# Altium PCB PCB1.PcbDoc (part 3 of 3)
Units mm, origin at the board's own origin, x right, y up, seen from the top; angles counter-clockwise.
Board outline 129 x 105 mm, 2 copper layers (Top Layer, Bottom Layer); 225 components, 151 nets, 690 pads, 891 vias.
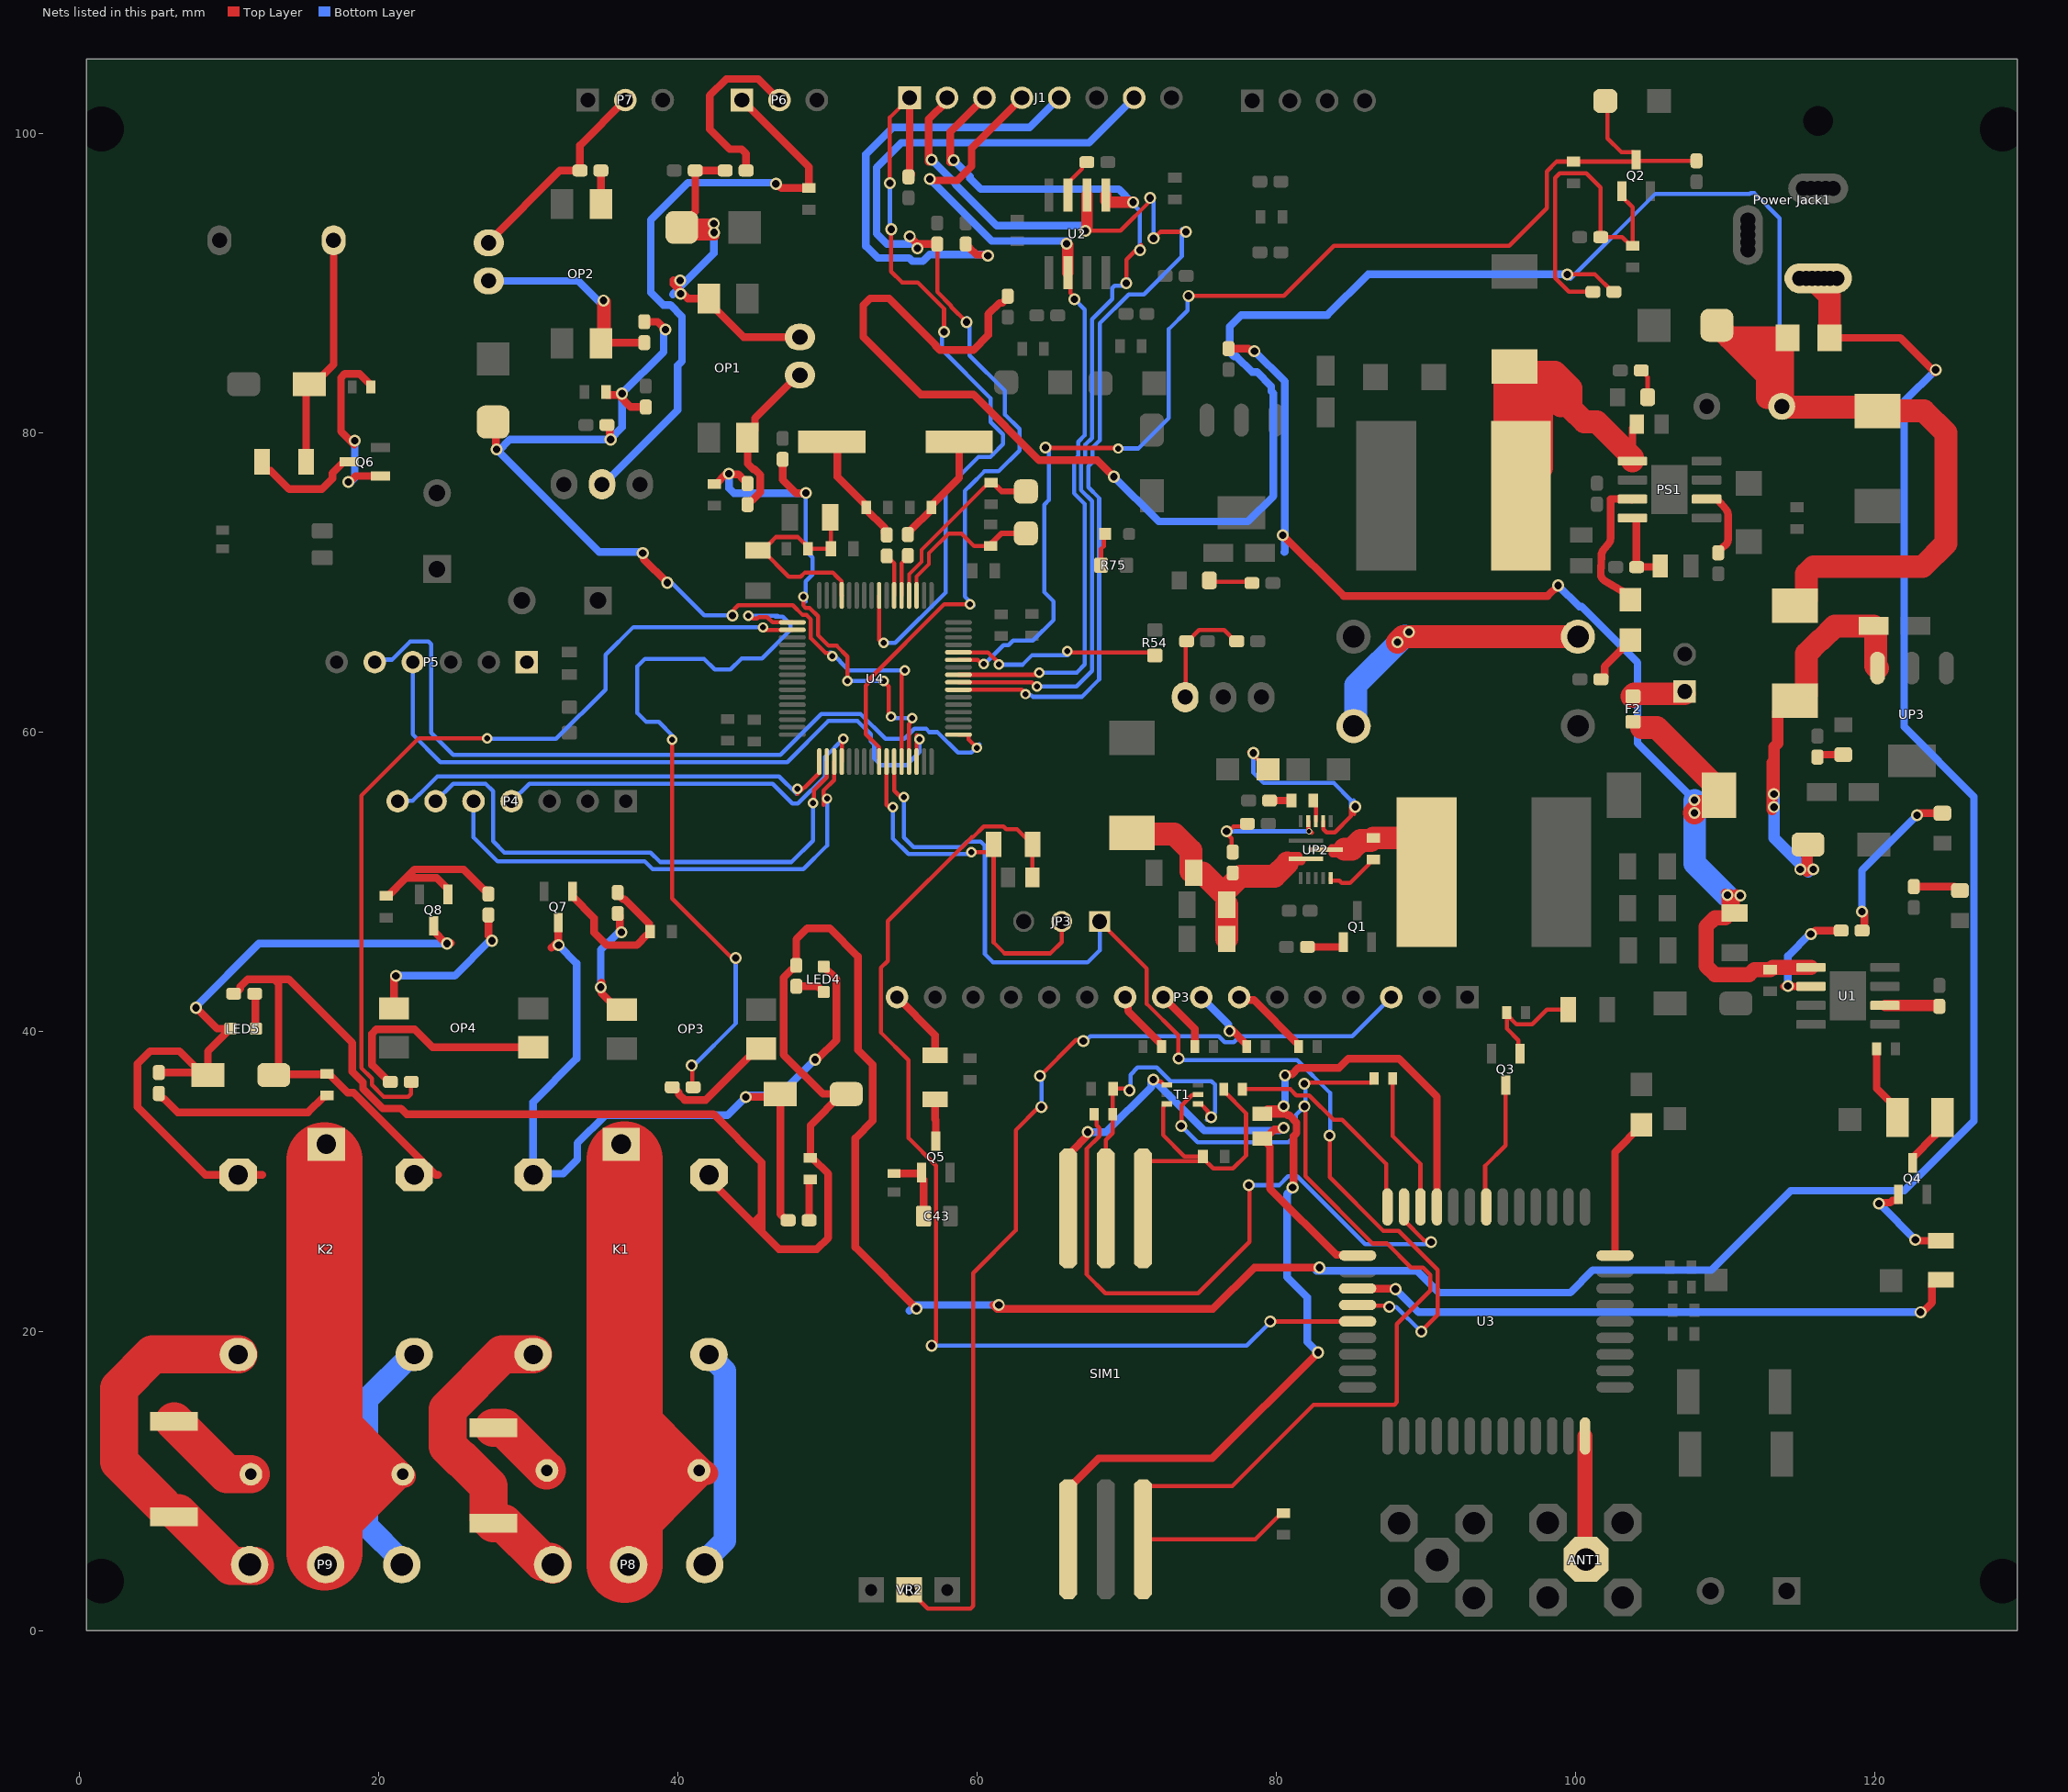
[diagram p3: the nets of this part, all layers, seen from the top]

## Via types
v1: diameter 0.4, hole 0.4, Top Layer to Bottom Layer, tented both sides, 549 vias
v2: diameter 0.8, hole 0.5, Top Layer to Bottom Layer, tented both sides, 237 vias
v3: diameter 0.7, hole 0.4, Top Layer to Bottom Layer, tented both sides, 91 vias
v4: diameter 0.5, hole 0.5, Top Layer to Bottom Layer, tented both sides, 12 vias
v5: diameter 0.4, hole 0.25, Top Layer to Bottom Layer, tented both sides, 1 vias
v6: diameter 0.4, hole 0.3, Top Layer to Bottom Layer, tented both sides, 1 vias

## Nets (pads, with @x,y where several pads share a name; then routed paths per layer and width w, separated by ;. In a path a pad name is that pad's centre, name@x,y a point inside that pad or via, vN(x,y) a via of type N, cw(c..) or ccw(c..) an arc to the next point about the centre after c; other vN are vias at no path point) (continued)
NetC1_2: C1.2 D5.2 L1.1 PS1.1 | length 40.4
  Top Layer w0.508: PS1.1@103.799,78.369 C1.2@103.799,80.315
  Top Layer w1.524: L1.1@95.255,78.233 D5.2@95.255,83.966 ; D5.2@95.91,84.455 D5.2@96.206,84.159 ; L1.1@96.502,75.813 96.502,78.13 96.206,78.426 D5.2@96.206,84.159 ; L1.1@97.068,78.022 D5.2@97.068,83.755 ; L1.1@97.744,77.674 97.744,83.408 ; 98.999,81.812 98.999,83.155 ; PS1.1@103.799,78.13 103.799,78.369 101.421,80.747 100.588,80.747 99.695,81.639 99.695,82.982 98.61,84.067 97.744,84.067 97.068,84.067 96.298,84.067 D5.2@96.206,84.159
NetC3_1: C3.1 PS1.3 | length 9.5
  Top Layer w0.508: 101.684,70.597 ccw(c102.192,70.583) 101.928,70.148 ; 101.684,70.598 101.722,71.845 cw(c102.23,71.829) 101.828,72.14 102.23,72.659 ccw(c101.829,72.97) 102.337,72.97 102.337,75.59 PS1.3@103.799,75.59 PS1.3@103.753,75.544 ; 101.928,70.148 103.186,69.384 C3.1@103.657,68.863 C3.1@103.657,68.913
NetC3_2: C3.2 R5.1 | length 3.5
  Top Layer w0.508: R5.1@101.69,63.551 101.79,63.551 101.936,63.697 101.936,64.392 103.657,66.113 C3.2@103.657,66.163
NetC8_1: C8.1 L2.2 UP2.1 | length 9.8
  Top Layer w0.508: UP2.1@83.716,52.288 84.938,52.288 ; 83.755,51.909 84.976,51.909
  Top Layer w1.524: 84.557,52.197 85.051,52.197 85.639,52.784 86.324,52.784 C8.1@86.487,52.947 88.804,52.947 90.042,51.709 L2.2@90.042,50.667
NetC8_2: C8.2 UP2.13 | length 3.8
  Top Layer w0.279: UP2.13@83.636,50.267 83.636,50.113 83.648,50.1 84.207,50.1 84.374,49.933 84.923,49.933 86.177,51.187 86.177,51.312 86.362,51.497 C8.2@86.487,51.497
NetC12_2: C12.2 C13.2 C14.2 D9.1 R12.2 UP2.8 | length 17.4
  Top Layer w0.508: 80.616,51.752 81.509,51.752 ; 80.747,51.385 81.691,51.385 81.714,51.408
  Top Layer w1.524: D9.1@70.358,53.289 70.434,53.213 73.177,53.213 74.29,52.1 74.29,50.735 74.403,50.622 C14.2@74.477,50.622 75.065,50.622 C12.2@76.493,49.194 ; C13.2@76.687,46.203 76.689,46.205 76.689,48.486 C12.2@76.691,48.489 ; 76.825,49.621 77.597,50.394 79.869,50.394 80.747,51.271
NetC16_2: C16.2 D10.2 D11.2 UP3.3 | length 30.3
  Top Layer w0.762: v2@113.119,54.844 113.119,57.989 ; v2(113.255,55.87) 113.255,59.015 113.512,59.271 113.512,61.359 114.281,62.128 D11.2@114.656,62.128 ; 115.473,50.725 D10.2@115.473,52.813
  Top Layer w1.524: D11.2@114.656,62.128 115.031,62.128 115.419,62.516 115.419,65.254 116.332,66.167 116.38,66.167 117.319,67.107 C16.2@119.91,67.107 120.04,66.977 120.04,64.43 UP3.3@120.17,64.3
  Bottom Layer w0.762: v2(113.255,55.87) v2(113.255,55.006) 113.255,52.962 v2@115.545,50.673
  other v2: 115.011,50.839 115.874,50.839
NetC18_2: C18.2 UP2.3 | length 16.1
  Top Layer w0.279: v2@78.181,58.674 78.262,58.674 79.405,57.531 C18.2@79.455,57.531 79.505,57.531 C18.2@80.091,56.946 ; UP2.3@83.136,54.067 83.148,54.054 83.148,53.54 83.368,53.32 83.903,53.32 84.988,54.406 v2@84.988,54.966 ; 85.187,54.534 v2@85.187,54.968
  Bottom Layer w0.279: v2(78.469,58.622) 78.469,57.294 79.146,56.617 83.845,56.617 84.988,55.474 v2@84.988,54.966 ; v2@85.166,54.952 85.166,55.46
  other v2: 85.286,55.036
NetC19_1: C19.1 R16.1 | length 1.5
  Top Layer w0.508: R16.1@79.553,55.448 C19.1@81.012,55.448
NetC19_2: C19.2 UP2.4 | length 1.4
  Top Layer w0.279: C19.2@82.462,55.448 C19.2@82.623,55.287 ; UP2.4@82.648,54.079 C19.2@82.648,55.287
NetC23_2: C23.2 Q2.1 R22.1 R25.1 | length 22.8
  Top Layer w0.279: R22.1@101.154,89.433 99.559,89.433 98.628,90.364 98.628,97.042 98.936,97.35 100.719,97.35 101.676,96.393 R25.1@101.676,93.091 103.114,93.091 103.685,92.521 C23.2@103.81,92.521 103.81,95.084 103.088,95.806 Q2.1@103.088,96.156
NetC41_1: C41.1 U3.44 | length 9.5
  Top Layer w0.508: U3.44@102.631,25.05 102.631,31.965 104.394,33.728 C41.1@104.394,33.778
NetC43_2: C43.2 Q5.1 R53.2 | length 4.7
  Top Layer w0.508: R53.2@54.458,30.531 56.256,30.531 56.302,30.485 56.302,30.248 56.428,30.122 C43.2@56.428,27.686
NetC55_2: C55.2 R55.1 Y1.2 | length 7.5
  Top Layer w0.508: R55.1@55.385,73.217 55.531,73.363 55.531,73.477 56.961,74.907 C55.2@56.961,75.032 ; C55.2@56.961,75.157 58.809,77.005 Y1.2@58.809,79.426
NetC56_2: C56.2 R56.1 Y1.1 | length 7.5
  Top Layer w0.508: Y1.1@50.673,79.324 50.673,77.073 52.59,75.157 C56.2@52.59,75.032 52.59,74.907 53.829,73.667 53.829,73.338 R56.1@53.975,73.192
NetC58_2: C58.2 JP5.1 JP6.1 P6.1 | length 40.5
  Top Layer w0.508: P6.1@44.3,102.246 48.773,97.773 C58.2@48.773,96.364 46.928,96.364 46.643,96.649 v2(46.564,96.649)
  Bottom Layer w0.508: JP5.1@34.943,76.574 35.045,76.574 40.005,81.534 40.005,84.519 40.284,84.798 40.284,87.782 39.511,88.556 39.029,88.556 38.202,89.383 38.202,94.241 40.684,96.723 v2@46.564,96.723
NetC60_1: C60.1 R67.1 | length 2.8
  Top Layer w0.508: R67.1@48.782,27.407 48.782,30.053 48.853,30.124 C60.1@48.87,30.124
NetC61_1: C61.1 R68.1 | length 12.3
  Top Layer w0.508: R68.1@5.334,35.876 5.334,35.809 5.59,35.553 5.657,35.553 6.59,34.62 15.307,34.62 16.365,35.678 16.49,35.678 C61.1@16.561,35.749
NetC62_1: C62.1 R73.2 | length 4.8
  Top Layer w2.54: R73.2@27.686,13.551 28.372,13.551 31.229,10.693 C62.1@31.267,10.693
NetC63_1: C63.1 R74.2 | length 6.6
  Top Layer w2.54: R74.2@6.35,13.97 9.881,10.439 C63.1@11.481,10.439
NetC64_2: C64.2 Q7.1 R71.1 | length 11.6
  Top Layer w0.508: Q7.1@33.02,49.345 Q7.1@32.979,49.386 32.979,49.036 34.417,47.599 34.417,46.634 35.255,45.796 37.273,45.796 37.966,46.489 38.091,46.489 38.162,46.56 C64.2@38.162,46.685 38.091,46.756 38.091,47.23 36.463,48.858 36.338,48.858 35.992,49.204 R71.1@35.992,49.304 R71.1@35.951,49.345
NetC65_2: C65.2 Q8.1 R72.1 | length 11.8
  Top Layer w0.508: C65.2@20.523,49.075 20.648,49.075 21.86,50.287 ; Q8.1@24.648,49.183 24.648,49.533 23.894,50.287 21.86,50.287 ; R72.1@27.356,49.2 27.356,49.3 27.21,49.446 27.11,49.446 25.705,50.851 22.424,50.851 21.86,50.287
NetD1_2: D1.2 R1.1 | length 2.9
  Top Layer w0.279: D1.2@75.524,70.155 75.613,70.066 78.281,70.066 R1.1@78.37,69.977
NetD3_2: D3.2 R3.1 | length 2
  Top Layer w0.279: R3.1@104.383,84.176 104.45,84.176 104.706,83.92 104.706,83.853 104.81,83.749 D3.2@104.81,82.398
NetD8_2: D8.2 R9.1 | length 1.8
  Top Layer w0.508: R9.1@116.154,58.355 116.154,58.366 116.3,58.512 D8.2@117.881,58.512
NetD12_2: D12.2 R17.1 | length 11
  Top Layer w0.508: R17.1@119.14,46.761 119.158,46.761 119.304,46.907 v2@119.304,48.031 ; v2(122.82,54.468) 122.899,54.468 123.031,54.6 D12.2@124.5,54.6
  Bottom Layer w0.508: v2(119.13,48.025) 119.13,50.779 v2@122.758,54.407
NetD13_2: D13.2 R18.1 | length 3.2
  Top Layer w0.508: R18.1@122.6,49.7 125.317,49.7 125.579,49.438 D13.2@125.679,49.438
NetD18_2: D18.2 D19.1 | length 19.7
  Top Layer w1.524: v2(88.094,66.024) 88.466,66.396 D19.1@100.152,66.396
  Bottom Layer w1.524: D18.2@85.166,60.427 85.312,60.572 85.312,63.163 v2@88.595,66.446
  other v2: 88.856,66.71
NetD20_2: D20.2 JP7.1 OP1.2 R59.1 R60.2 | length 30.7
  Top Layer w0.508: 39.726,90.221 39.726,89.942 40.678,88.989 OP1.2@42.073,88.989 42.073,88.739 44.403,86.409 JP7.1@48.173,86.409 ; D20.2@40.089,93.363 v2@42.203,93.363 ; D20.2@40.273,93.899 41.173,94.799 R59.1@41.173,97.539 R60.2@43.173,97.539 ; D20.2@40.305,94.074 v2@42.418,94.074 ; D20.2@40.343,93.668 v2@42.457,93.668 ; D20.2@40.394,93.109 v2@42.507,93.109
  Bottom Layer w0.508: 39.683,89.264 42.418,91.999 42.418,93.396 v2(42.418,94.005)
  other v2: 40.196,89.31 40.17,90.199 42.443,93.396
NetD22_1: D22.1 K1.5 LED4.K Q7.3 R67.2 | length 59.4
  Top Layer w0.508: 31.572,45.618 32.029,46.076 Q7.3@32.029,47.286 ; v2(44.554,35.648) 46.671,35.648 D22.1@46.863,35.839 46.863,27.826 47.282,27.407 R67.2@47.382,27.407 ; v2@49.378,38.202 50.613,39.437 50.613,43.506 LED4.K@49.759,44.36
  Bottom Layer w0.508: v2@32.044,45.781 33.249,44.577 33.249,38.202 30.345,35.298 K1.5@30.345,30.44 30.426,30.521 32.357,30.521 33.299,31.463 33.299,32.561 35.158,34.42 43.326,34.42 v2(44.554,35.648) ; v2@44.78,35.763 46.805,35.763 v2(49.181,38.14)
  other v2: 32.052,45.789
NetD23_1: D23.1 K2.5 LED5.K Q8.3 R68.2 | length 48.7
  Top Layer w0.508: R68.2@5.334,37.276 D23.1@8.144,37.276 ; v2(7.823,41.605) 9.22,40.208 LED5.K@10.123,40.208 8.611,38.696 D23.1@8.611,37.109 8.311,37.109 D23.1@8.144,37.276 ; 12.243,30.44 8.447,30.44 3.912,34.976 3.912,37.871 4.75,38.71 6.71,38.71 D23.1@8.144,37.276 ; Q8.3@23.698,47.083 23.698,46.733 24.508,45.923 v2@24.841,45.923
  Bottom Layer w0.508: v2@7.747,41.631 12.014,45.897 v2(24.584,45.897)
NetD24_1: D24.1 R75.2 | length 2.2
  Top Layer w0.279: R75.2@68.289,71.171 68.289,72.253 68.47,72.434 68.47,73.156 D24.1@68.567,73.254
NetDP1_1: DP1.1 R50.2 SP1.2 | length 15.7
  Top Layer w0.508: R50.2@15.173,78.075 15.173,83.05 DP1.1@15.398,83.275 15.698,83.275 17.008,84.585 SP1.2@17.008,92.875
NetF2_1: F2.1 P1.1 | length 3.6
  Top Layer w1.524: F2.1@103.759,62.406 103.928,62.575 P1.1@107.264,62.575
NetJP1_2: JP1.2 R14.1 R15.2 | length 7.7
  Top Layer w0.279: JP1.2@73.914,62.357 73.958,62.401 73.958,66.047 R14.1@74.001,66.091 74.101,66.091 74.841,66.831 76.514,66.831 77.254,66.091 R15.2@77.354,66.091
NetJP7_2: JP7.2 OP1.4 R58.1 | length 11
  Top Layer w0.508: R58.1@44.667,75.222 44.667,75.322 44.813,75.468 44.937,75.468 45.521,76.051 45.521,77.192 45.137,77.576 45.056,77.576 44.673,77.959 OP1.4@44.673,79.689 45.169,80.185 45.169,80.992 48.046,83.869 JP7.2@48.173,83.869
NetJP8_1: JP8.1 P7.2 R62.1 | length 14.1
  Top Layer w0.508: JP8.1@27.373,92.709 27.373,92.781 32.131,97.539 R62.1@33.473,97.539 33.473,99.219 P7.2@36.5,102.246
NetJP8_2: JP8.2 OP2.4 R63.1 | length 16.9
  Top Layer w0.508: v2(35.038,88.857) 35.038,88.778 34.873,88.612 OP2.4@34.873,85.989 34.923,86.039 R63.1@37.773,86.039 ; OP2.4@35.281,86.21 v2@35.281,88.833
  Bottom Layer w0.508: JP8.2@27.373,90.169 33.351,90.169 v2@35.052,88.468
NetK1_2: K1.2 P8.3 | length 15
  Bottom Layer w1.524: P8.3@41.808,4.394 41.808,4.658 43.155,6.004 43.155,17.348 42.095,18.407 K1.2@42.095,18.44
NetK2_2: K2.2 P9.3 | length 16.4
  Bottom Layer w1.524: P9.3@21.565,4.394 21.565,4.658 19.228,6.995 19.228,15.426 22.243,18.44 K2.2@22.393,18.44
NetLED1_1: LED1.1 R34.1 | length 5.2
  Top Layer w0.508: R34.1@120.117,38.862 120.117,36.21 121.512,34.815 LED1.1@121.512,34.265
NetLED1_2: LED1.2 Q4.3 | length 3.9
  Top Layer w0.508: Q4.3@122.519,31.234 122.519,31.584 124.016,33.081 124.016,33.769 LED1.2@124.512,34.265
NetLED4_A: LED4.A R65.1 | length 2
  Top Layer w0.508: R65.1@47.93,43.039 49.38,43.039 LED4.A@49.759,42.66
NetLED5_A: LED5.A R66.1 | length 2.4
  Top Layer w0.508: R66.1@11.735,42.545 11.779,42.501 11.779,40.252 LED5.A@11.823,40.208
NETLIGHT: R37.1 U3.16 | length 41.2
  Top Layer w0.508: U3.16@85.431,22.85 85.452,22.829 87.941,22.829 v2(87.963,22.807) ; v2@123.139,21.234 123.813,21.908 123.813,23.171 124.084,23.442 R37.1@124.409,23.442
  Bottom Layer w0.508: v2@87.935,22.835 89.501,21.268 v2(123.045,21.268)
NetOP2_1: OP2.1 R62.2 | length 2.2
  Top Layer w0.508: OP2.1@34.873,95.289 R62.2@34.873,97.539
NetOP3_1: OP3.1 R69.2 | length 7.8
  Top Layer w0.508: R69.2@39.635,36.297 39.735,36.297 40.081,35.951 40.081,35.826 40.464,35.443 41.879,35.443 45.319,38.883 OP3.1@45.569,38.883
NetOP3_3: OP3.3 R71.2 | length 8.1
  Top Layer w0.508: v2@34.9,43.307 34.9,42.603 36.019,41.483 OP3.3@36.269,41.483 ; R71.2@35.992,47.904 36.138,47.758 36.138,46.838 36.245,46.731 v2(36.245,46.652)
  Bottom Layer w0.508: v2(34.868,42.98) 34.868,45.486 v2@36.043,46.66
NetOP4_1: OP4.1 R70.2 | length 15.2
  Top Layer w0.508: R70.2@20.803,36.652 20.657,36.798 20.557,36.798 19.581,37.774 19.581,39.877 19.867,40.163 22.243,40.163 22.248,40.157 22.428,40.157 23.627,38.959 OP4.1@30.355,38.959
NetOP4_3: OP4.3 R72.2 | length 11.3
  Top Layer w0.508: OP4.3@21.055,41.559 v2@21.055,43.737 ; R72.2@27.356,47.8 27.356,46.407 27.602,46.161 v2(27.602,46.082)
  Bottom Layer w0.508: v2(21.173,43.744) 25.1,43.744 v2@27.483,46.126
NetP3_3: P3.3 VR2.3 | length 68.8
  Top Layer w0.279: VR2.3@55.474,2.718 56.718,1.473 59.577,1.473 59.741,1.637 59.741,23.876 62.586,26.721 62.586,33.426 64.11,34.95 v2@64.618,34.95 ; v2(64.216,37.046) 66.616,39.446 v2@67.259,39.446
  Bottom Layer w0.279: v2(64.306,34.977) 64.306,37.128 v2@64.313,37.135 ; v2(67.105,39.386) 67.246,39.386 67.57,39.71 76.157,39.71 76.563,39.304 77.175,39.304 77.581,39.71 85.074,39.71 P3.3@87.681,42.316
NetP3_7: P3.7 R43.2 | length 5.4
  Top Layer w0.508: P3.7@77.521,42.316 77.711,42.127 78.496,42.127 81.483,39.139 R43.2@81.483,39.014
NetP3_8: P3.8 R44.2 | length 4.6
  Top Layer w0.508: v2@76.993,40.167 78.02,39.139 R44.2@78.02,39.014
  Bottom Layer w0.508: P3.8@74.981,42.316 76.813,40.484 76.813,40.099 v2(76.869,40.044)
NetP3_9: P3.9 R45.2 | length 4.2
  Top Layer w0.508: P3.9@72.441,42.316 74.558,40.2 R45.2@74.558,39.014
NetP3_10: P3.10 R46.2 | length 4.3
  Top Layer w0.508: P3.10@69.901,42.316 70.091,42.127 70.091,41.388 72.339,39.139 R46.2@72.339,39.014
NetP3_16: P3.16 R47.2 | length 4.9
  Top Layer w0.508: P3.16@54.661,42.316 57.201,39.776 R47.2@57.201,38.43
NetP6_2: P6.2 R60.1 | length 12.2
  Top Layer w0.508: R60.1@44.573,97.539 44.573,98.661 44.275,98.958 43.485,98.958 42.139,100.305 42.139,102.54 43.256,103.657 45.389,103.657 P6.2@46.8,102.246
NetPS1_4: PS1.4 R7.1 R8.2 | length 5.1
  Top Layer w0.508: PS1.4@103.799,74.32 104.066,74.274 104.066,71.19 R8.2@104.078,71.044 104.324,71.056 105.41,71.056 R7.1@105.664,71.12
NetPS1_6: PS1.6 R6.1 | length 4.8
  Top Layer w0.508: PS1.6@108.749,75.59 109.48,75.544 110.054,74.896 cw(c109.659,74.545) 110.188,74.545 110.188,74.095 ; R6.1@109.525,71.998 109.671,72.244 109.993,72.5 ccw(c109.678,72.898) 110.186,72.896 ; 110.186,72.897 110.188,74.094
NetQ1_1: Q1.1 R11.1 | length 2.7
  Top Layer w0.508: R11.1@82.082,45.669 84.424,45.669 84.47,45.715 Q1.1@84.47,45.991
NetQ3_1: Q3.1 R35.2 R36.2 | length 7.9
  Top Layer w0.279: R36.2@95.403,41.275 R36.2@95.403,41.15 ; Q3.1@96.276,38.54 96.181,38.635 96.181,39.429 95.403,40.208 R36.2@95.403,41.15 ; R35.2@99.515,41.478 98.07,41.478 97.102,40.51 96.042,40.51 R36.2@95.403,41.15
NetQ4_1: Q4.1 R37.2 | length 7.1
  Top Layer w0.508: v2(120.259,28.526) 120.315,28.582 121.017,28.582 121.173,28.738 121.523,28.738 121.569,28.784 Q4.1@121.569,29.134 ; v2@122.606,26.137 122.705,26.038 R37.2@124.409,26.038
  Bottom Layer w0.508: v2@120.193,28.397 120.404,28.397 v2(122.702,26.1)
NetQ5_3: Q5.3 R47.1 | length 2.8
  Top Layer w0.508: R47.1@57.201,35.48 57.201,34.154 57.244,34.11 57.244,32.706 Q5.3@57.252,32.698
NetQ6_1: Q6.1 R52.2 | length 12.7
  Top Layer w0.508: v2(18.001,76.727) 18.08,76.727 18.478,77.125 Q6.1@20.151,77.125 ; v2@18.39,79.223 17.5,80.113 17.5,83.688 17.766,83.954 18.744,83.954 19.498,83.2 R52.2@19.498,83.075
  Bottom Layer w0.508: v2@18.085,76.657 18.422,76.994 v2(18.422,79.493)
NetQ6_3: Q6.3 R50.1 | length 7.7
  Top Layer w0.508: R50.1@12.223,78.075 12.223,77.75 12.494,77.479 12.819,77.479 14.047,76.251 16.227,76.251 16.936,76.96 16.936,77.31 17.701,78.075 Q6.3@18.051,78.075
NetR12_1: R12.1 R13.2 UP2.5 | length 9.5
  Top Layer w0.279: R12.1@77.089,52.008 77.001,52.096 77.001,52.927 76.677,53.25 v2(76.677,53.391) 76.818,53.391 77.146,53.719 77.886,53.719 R13.2@78.065,53.899 ; UP2.5@82.136,54.067 82.148,54.054 82.148,53.54 82.386,53.303
  Bottom Layer w0.279: v2@76.733,53.391 76.737,53.394 v6(82.186,53.394)
NetR26_2: R26.2 U1.2 | length 3.7
  Top Layer w0.762: U1.2@120.675,41.765 124.281,41.765 124.3,41.746 R26.2@124.3,41.7
NetR33_2: R33.2 U2.7 | length 2.8
  Top Layer w0.279: U2.7@66.076,95.904 66.076,96.704 67.019,97.648 67.019,97.839 67.275,98.095 R33.2@67.342,98.095
NetR38_2: R38.2 R40.2 U3.18 | length 74.5
  Top Layer w0.279: v2@56.947,18.923 57.268,19.244 57.268,31.063 55.423,32.908 55.423,38.108 53.571,39.96 53.571,44.261 54.05,44.741 54.05,47.389 59.661,52.999 59.729,52.999 60.447,53.717 61.778,53.717 61.966,53.529 62.676,53.529 63.715,52.49 R40.2@63.715,50.317 ; v2(79.589,20.641) 79.594,20.645 85.426,20.645 U3.18@85.431,20.65
  Bottom Layer w0.279: v2(56.976,19.03) 78.034,19.03 v2@79.68,20.676
NetR39_1: R39.1 U3.13 | length 14.6
  Top Layer w0.279: R39.1@77.737,36.17 80.924,36.17 81.339,35.755 82.192,35.755 83.835,34.112 84.404,34.112 87.351,31.166 87.351,28.38 U3.13@87.431,28.3
NetR41_1: R41.1 U3.11 | length 9.4
  Top Layer w0.279: R41.1@87.77,36.881 87.77,33.033 89.631,31.172 U3.11@89.631,28.3
NetR42_1: R42.1 U3.12 | length 45.5
  Top Layer w0.279: R42.1@67.831,34.493 67.991,34.333 67.991,33.757 68.183,33.565 68.183,33.028 67.335,32.18 67.335,23.774 68.58,22.53 74.778,22.53 78.207,25.959 v2@78.207,29.769 ; U3.12@88.531,28.3 88.531,27.4 89.874,26.057 90.248,26.057 v2(90.347,25.958)
  Bottom Layer w0.279: v2(78.16,29.752) 80.195,29.752 80.783,30.34 81.396,30.34 85.93,25.806 v2@90.373,25.806
NetR54_1: R54.1 U4.60 | length 14
  Top Layer w0.279: U4.60@58.763,65.352 60.734,65.352 v3@61.519,64.567 ; v3(66.025,65.419) 66.105,65.339 71.683,65.339 R54.1@71.882,65.139
  Bottom Layer w0.279: v3(61.469,64.55) 61.493,64.526 63.047,64.526 63.688,65.167 66.056,65.167 v3@66.116,65.227
OSC_32_N: C54.2 U4.4 X1.1 | length 12.5
  Top Layer w0.254: U4.4@55.463,69.152 55.463,70.576 56.286,71.399 56.286,72.194 57.879,73.787 57.9,73.787 C54.2@60.81,76.696
  Top Layer w0.381: C54.2@60.81,76.696 C54.2@60.935,76.696 61.06,76.696 61.655,76.101 X1.1@63.271,76.101
OSC_32_P: C53.2 U4.3 X1.2 | length 10.9
  Top Layer w0.254: U4.3@55.963,69.152 55.963,70.416 56.794,71.247 56.794,71.984 58.09,73.279 58.979,73.279 59.805,72.452 C53.2@60.909,72.452
  Top Layer w0.381: C53.2@60.909,72.452 cw(c61.206,72.452) 60.996,72.662 61.635,73.301 X1.2@63.271,73.301
OSC_N: R56.2 U4.6 | length 2.8
  Top Layer w0.279: R56.2@53.975,71.792 54.466,71.3 U4.6@54.466,69.152
OSC_P: R55.2 U4.5 | length 2.7
  Top Layer w0.279: U4.5@54.97,69.152 54.97,71.3 R55.2@55.385,71.715
PWR_STATUS: C22.2 D14.2 Q2.3 R19.2 U4.59 | length 83.4
  Top Layer w0.279: U4.59@58.763,64.852 60.04,64.852 v3@60.376,64.516 ; v2(64.584,79.035) 64.617,79.002 69.405,79.002 v3(69.438,78.969) ; 67.883,78.994 v3@69.291,78.994 ; v2(74.132,89.163) 80.501,89.163 83.845,92.507 95.555,92.507 98.069,95.021 98.069,97.485 98.719,98.135 C22.2@99.847,98.135 103.918,98.135 Q2.3@104.038,98.256 ; D14.2@101.984,102.184 102.133,102.035 102.133,99.695 103.062,98.766 103.878,98.766 104.038,98.606 Q2.3@104.038,98.256 ; R19.2@108.077,98.185 104.109,98.185 Q2.3@104.038,98.256
  Bottom Layer w0.279: v3(60.461,64.566) 60.51,64.566 61.781,65.837 62.117,65.837 62.406,66.126 63.738,66.126 65.126,67.513 65.126,68.742 64.495,69.373 64.495,75.215 64.813,75.533 64.813,78.805 v2(64.584,79.035) ; v2@64.813,78.875 64.878,78.939 v2@64.878,79.121 ; v3(69.438,78.969) 70.79,78.969 72.822,81.001 72.822,86.944 74.066,88.189 v2@74.066,89.052
PWRKEY: Q3.3 U3.7 | length 8.8
  Top Layer w0.279: U3.7@93.955,28.3 93.955,31.039 95.326,32.41 Q3.3@95.326,36.44 ; U3.7@94,28.331 U3.7@94.031,28.3
RC522_IRQ: J1.5 R28.1 | length 31.3
  Top Layer w0.508: R28.1@59.25,92.626 59.25,92.526 59.396,92.38 59.496,92.38 59.967,91.909 60.671,91.909 v2(60.727,91.853)
  Bottom Layer w0.508: v2@60.808,91.923 56.828,91.923 56.383,91.477 55.676,91.477 55.462,91.691 53.369,91.691 52.578,92.481 52.578,98.628 54.368,100.418 63.518,100.418 J1.5@65.5,102.4
RC522_RST: J1.7 R27.1 U4.41 | length 71.9
  Top Layer w0.279: U4.41@53.463,58.052 53.463,58.807 53.453,58.817 53.453,59.004 52.578,59.879 52.578,63.127 52.702,63.251 52.702,63.448 57.826,68.572 v3(59.527,68.572) ; R27.1@57.342,92.626 57.342,89.437 58.279,88.499 58.279,88.439 v2(59.302,87.416)
  Top Layer w0.508: v2(55.512,93.131) 56.017,92.626 R27.1@57.342,92.626
  Bottom Layer w0.279: v2@59.36,87.706 59.512,87.554 59.512,85.184 61.874,82.822 61.874,81.234 62.84,80.269 62.84,78.842 61.439,77.441 60.499,77.441 59.566,76.508 59.563,76.508 59.182,76.127 59.182,69.069 v3@59.781,68.47
  Bottom Layer w0.508: 55.512,92.634 53.975,92.634 53.286,93.323 53.286,97.736 54.94,99.39 67.49,99.39 J1.7@70.5,102.4
  other v2: 56.029,92.331
RC522_SS: J1.1 R31.2 U4.8 | length 53.4
  Top Layer w0.279: U4.8@53.463,69.152 53.463,66.171 v3@53.67,65.964 ; v2@54.178,96.647 54.178,101.078 J1.1@55.5,102.4 ; v2(54.268,93.613) 54.268,90.792 54.991,90.068 56.032,90.068 57.8,88.301 v2(57.8,86.767)
  Top Layer w0.508: R31.2@55.5,97.29 J1.1@55.5,102.4
  Top Layer w0.762: R31.2@55.423,97.113 55.423,97.213 R31.2@55.5,97.29
  Bottom Layer w0.279: v3(53.772,65.974) 54.544,65.974 57.912,69.342 57.912,76.213 60.098,78.399 60.896,78.399 61.052,78.556 61.747,79.251 61.747,79.908 60.916,80.74 60.916,82.315 57.658,85.573 v2@57.658,86.589 ; v2(54.183,96.695) 54.183,93.772 v2@54.254,93.701
RELAY: "Power Jack1.1" C60.2 C61.2 D22.2 D23.2 F1.1 K1.4 K2.4 R65.2 R66.2 | length 278.2
  Top Layer w0.508: R66.2@10.335,42.545 10.435,42.545 10.781,42.891 10.781,43.016 11.275,43.51 13.037,43.51 ; D23.2@13.011,37.109 D23.2@13.056,37.154 ; 23.993,30.44 23.843,30.44 18.356,35.927 17.958,35.927 16.686,37.199 C61.2@16.561,37.199 16.516,37.154 D23.2@13.056,37.154 ; K1.4@42.095,30.44 ccw(c42.815,30.44) 42.306,29.931 45.618,26.619 ; 45.036,27.203 45.569,27.736 ; D22.2@51.263,35.839 D22.2@50.963,35.839 ; v2(55.961,21.503) 51.867,25.597 51.867,32.893 53.035,34.061 53.035,37.795 52.045,38.786 52.045,45.034 50.165,46.914 48.666,46.914 47.93,46.177 R65.2@47.93,44.439 47.93,44.339 47.784,44.193 47.659,44.193 47.076,43.61 47.076,38.471 49.699,35.849 50.954,35.849 D22.2@50.963,35.839 ; v2@61.087,21.742 61.341,21.488 75.768,21.488 78.526,24.246 v2(82.874,24.246) ; F1.1@116.97,86.36 121.691,86.36 v2@124.003,84.049 ; 13.037,43.51 13.995,43.51 18.263,39.243 18.263,37.337 18.974,36.625 18.974,36.195 20.295,34.874 21.514,34.874 21.895,34.493 42.393,34.493 45.618,31.267 45.618,26.619 ; 13.037,43.51 13.335,43.213 13.335,37.434 D23.2@13.056,37.154 ; 45.618,26.619 46.761,25.476 49.301,25.476 50.063,26.238 50.063,30.506 48.995,31.574 C60.2@48.87,31.574 48.87,33.746 D22.2@50.963,35.839
  Top Layer w1.524: 115.805,90.338 116.97,89.173 F1.1@116.97,86.36
  Bottom Layer w0.508: 55.474,21.361 55.859,21.747 v2(61.462,21.747) ; v2@82.677,24.028 89.408,24.028 90.856,22.581 99.644,22.581 101.143,24.079 109.068,24.079 114.368,29.38 121.963,29.38 126.619,34.036 126.619,55.704 121.95,60.373 121.95,82.12 v2(124.057,84.227)
Relay_COM1: C62.2 K1.1 P8.2 | length 62.1
  Top Layer w1.524: 34.893,6.495 36.449,8.051 40.132,11.734 ; 35.241,5.644 36.449,6.852 40.479,10.883 ; 35.422,7.999 36.449,9.022 39.235,11.797 ; P8.2@36.584,5.376 C62.2@41.815,10.608 ; 36.699,15.723 C62.2@41.815,10.608 ; C62.2@41.822,10.615 C62.2@41.815,10.608 ; C62.2@41.938,10.485 C62.2@41.815,10.608
  Top Layer w5.08: P8.2@36.449,4.394 36.449,6.852 36.449,8.051 36.449,9.022 K1.1@36.449,31.471
Relay_COM2: C63.2 K2.1 P9.2 | length 61.5
  Top Layer w1.524: 14.712,6.32 19.95,11.558 ; 15.059,5.469 20.298,10.707 ; 15.24,7.823 19.053,11.622 ; P9.2@16.402,4.981 16.402,5.201 C63.2@21.641,10.439 ; 16.518,15.548 C63.2@21.756,10.309
  Top Layer w5.08: P9.2@16.402,5.201 K2.1@16.402,31.42
Relay_MCU1: R69.1 U4.17 | length 51.6
  Top Layer w0.279: v3(39.634,59.516) 39.634,48.91 v2@43.917,44.628 ; v2(40.941,37.744) 40.988,37.697 40.988,36.344 R69.1@41.035,36.297 ; v3(44.711,67.8) 44.824,67.8 45.024,67.6 45.316,67.6 45.417,67.701 45.988,67.701 46.337,67.352 U4.17@47.663,67.352
  Bottom Layer w0.279: v3@39.675,59.36 39.675,59.766 38.735,60.706 37.897,60.706 37.313,61.29 37.313,64.414 37.809,64.911 41.762,64.911 42.477,64.196 43.526,64.196 44.278,64.948 45.644,64.948 47.552,66.856 47.552,67.205 47.02,67.737 46.527,67.737 ; v2@41.072,37.744 43.877,40.549 v2(43.877,44.922) ; v3(44.711,67.8) 46.678,67.8
Relay_MCU2: R70.1 U4.18 | length 58.5
  Top Layer w0.279: R70.1@22.203,36.652 22.182,36.632 22.182,35.833 22.001,35.652 20.356,35.652 19.567,36.441 19.567,36.871 18.856,37.583 18.856,55.762 22.691,59.597 v3(27.271,59.597) ; v3@45.491,67.031 45.67,66.852 U4.18@47.663,66.852
  Bottom Layer w0.279: v3@27.356,59.563 31.877,59.563 35.179,62.865 35.179,65.176 37.041,67.039 45.675,67.039 v3(45.702,67.011)
Relay_NO1: K1.3 P8.1 R73.1 | length 21.3
  Top Layer w2.54: K1.3@30.345,18.44 28.287,18.44 24.629,14.782 24.629,12.32 25.49,11.459 25.559,11.459 27.368,9.649 27.368,7.493 R73.1@27.686,7.175 28.372,7.175 30.966,4.581 31.462,4.581 P8.1@31.648,4.394
Relay_NO2: K2.3 P9.1 R74.1 | length 24.4
  Top Layer w2.54: 5.524,8.42 2.667,11.278 2.667,16.18 4.928,18.44 K2.3@10.643,18.44 ; R74.1@6.633,7.849 10.164,4.319 P9.1@11.764,4.319
RF_ANT: ANT1.2 U3.35 | length 8.2
  Top Layer w1.016: ANT1.2@100.631,4.808 U3.35@100.631,13
RFID_FLASH_MISO: J1.4 U2.2 U4.57 | length 58.1
  Top Layer w0.279: U4.57@58.763,63.852 64.266,63.852 v3@64.287,63.83 ; U2.2@66.076,90.704 66.236,90.544 66.236,89.358 66.511,89.082 v2(66.511,88.941)
  Top Layer w0.508: v2@56.82,96.876 58.699,96.876 59.639,97.815 59.639,99.039 J1.4@63,102.4
  Top Layer w0.762: v2(65.996,92.656) 65.996,92.646 66.076,92.566 U2.2@66.076,90.704
  Bottom Layer w0.279: v3(64.173,63.998) 66.665,63.998 67.205,64.538 67.205,75.258 66.48,75.983 66.48,78.184 66.761,78.465 66.761,79.417 67.199,79.856 67.199,88.253 v2(66.511,88.941)
  Bottom Layer w0.508: v2(56.848,96.971) 60.982,92.837 v2@66.091,92.837
RFID_FLASH_MOSI: J1.3 U2.5 U4.56 | length 64.7
  Top Layer w0.279: U4.56@58.763,63.352 63.674,63.352 v3@63.983,63.043 ; v2(69.981,90.008) 69.981,91.596 v2@70.968,92.583
  Top Layer w0.508: v2@58.217,98.069 58.217,100.117 J1.3@60.5,102.4
  Top Layer w0.762: U2.5@68.616,95.904 68.616,95.506 68.697,95.425 70.436,95.425 v2(70.443,95.418)
  Bottom Layer w0.279: v3(64.009,63.071) 66.652,63.071 67.685,64.103 67.685,75.456 66.96,76.181 66.96,77.986 67.24,78.266 67.24,79.219 67.685,79.663 67.685,87.598 69.037,88.951 69.037,89.679 69.201,89.843 69.675,89.843 v2@70.104,90.272 ; v2(70.443,95.418) 70.443,95.277 70.887,94.833 v2@70.887,92.185
  Bottom Layer w0.508: v2(58.449,98.228) 58.449,98.218 59.534,97.133 59.534,97.006 60.249,96.291 69.469,96.291 v2@70.409,95.352
  other v2: 70.887,92.211
RFID_FLASH_SCK: J1.2 U2.6 U4.55 | length 73.8
  Top Layer w0.279: U4.55@58.763,62.852 63.005,62.852 v3@63.271,62.586 ; v2(67.243,93.513) 69.584,93.513 71.603,95.531 v2@71.603,95.682 ; v2@71.831,93.015 72.261,93.445 v2(73.967,93.445)
  Top Layer w0.508: v2@56.769,98.12 56.769,100.967 58,102.198 J1.2@58,102.4
  Top Layer w0.762: v2(67.243,93.513) 67.243,93.523 67.346,93.626 U2.6@67.346,95.904
  Bottom Layer w0.279: v3(63.247,62.563) 63.327,62.482 63.622,62.482 63.723,62.381 67.004,62.381 68.164,63.541 68.164,75.655 67.439,76.38 67.439,77.787 67.72,78.068 67.72,79.02 68.198,79.498 68.198,87.334 70.132,89.268 71.152,89.268 73.685,91.801 v2@73.685,93.599 ; v2@71.501,95.936 71.799,95.638 v2(71.799,93.002)
  Bottom Layer w0.508: v2(56.976,98.253) 58.572,96.657 58.572,96.608 61.326,93.853 v2@67.335,93.853
  other v2: 71.572,95.701
ROW1: P4.7 U4.33 | length 30.6
  Top Layer w0.279: v3@48.006,55.905 48.362,56.261 ; 48.489,56.327 49.463,57.302 U4.33@49.463,58.052
  Bottom Layer w0.279: P4.7@21.285,55.397 21.455,55.227 21.66,55.432 22.291,55.432 22.708,55.849 22.735,55.849 23.945,57.058 46.781,57.058 v3@47.932,55.907
  other v3: 48.012,56.234
ROW2: P4.6 U4.34 | length 36.2
  Top Layer w0.279: v3@49.098,55.169 49.098,56.138 49.959,56.999 49.959,58.048 U4.34@49.963,58.052
  Bottom Layer w0.279: P4.6@23.825,55.397 25.006,56.579 27.165,56.579 27.661,56.083 27.661,52.73 28.423,51.968 38.198,51.968 38.827,51.34 47.606,51.34 49.042,52.776 v3(49.042,55.268)
ROW3: P4.5 U4.35 | length 33.9
  Top Layer w0.279: 49.759,55.169 49.759,56.12 50.463,56.824 U4.35@50.463,58.052
  Bottom Layer w0.279: P4.5@26.365,55.397 26.365,52.984 27.965,51.384 37.804,51.384 38.328,50.86 48.396,50.86 49.982,52.446 v3(49.982,55.573)
ROW4: P4.4 U4.36 | length 27.4
  Top Layer w0.279: v3@50.876,59.614 50.963,59.527 U4.36@50.963,58.052
  Bottom Layer w0.279: P4.4@28.905,55.397 30.086,56.579 46.342,56.579 47.676,55.245 48.043,55.245 49.855,57.057 49.855,58.363 v3(51.064,59.572)
RXD: JP3.2 R38.1 U4.42 | length 25.9
  Top Layer w0.279: U4.42@53.963,58.052 53.963,55.155 v3@54.28,54.839 ; v3(59.632,51.995) 60.727,51.995 R38.1@61.112,52.38 ; R38.1@61.112,52.527 R38.1@61.112,52.38 ; JP3.2@65.659,47.371 65.659,45.999 64.897,45.237 61.849,45.237 61.112,45.974 R38.1@61.112,52.38
  Bottom Layer w0.279: v3(54.386,54.996) 54.386,52.904 55.423,51.867 v3@59.665,51.867
SENSOR_IN6: C59.2 D21.2 R61.1 R63.2 R64.2 U4.44 | length 66
  Top Layer w0.279: v2@43.51,67.945 44.055,68.49 47.705,68.49 48.353,67.841 48.616,67.841 48.903,67.554 48.903,67.149 48.903,66.752 48.903,66.294 49.889,65.308 50.016,65.308 50.226,65.097 v3(50.34,65.097) ; U4.44@54.963,58.052 54.963,63.929 v3@55.169,64.135
  Top Layer w0.508: D21.2@27.673,80.739 27.85,80.562 27.85,78.963 v2(27.906,78.907) ; C59.2@35.223,82.739 35.223,82.614 35.294,82.543 36.054,82.543 36.858,81.739 R64.2@37.873,81.739 ; R61.1@35.273,80.539 35.318,80.539 35.464,80.393 35.464,79.624 v2(35.52,79.568) ; v2(37.667,71.972) 37.723,71.916 37.723,71.594 v2(39.317,70.001) ; R63.2@37.773,87.439 38.659,87.439 v2(39.181,86.918)
  Bottom Layer w0.279: v2@39.319,70.282 41.788,67.813 v2(43.654,67.813) ; v3@50.165,65.335 50.26,65.335 51.447,64.148 v3(55.182,64.148)
  Bottom Layer w0.508: v2(27.906,78.907) v2@28.019,78.794 ; v2@35.497,79.591 36.285,80.379 v2(36.285,82.635) 39.065,85.416 v2@39.065,87.046 ; v2(35.52,79.568) 28.793,79.568 v2@28.019,78.794 ; v2@37.667,72.06 34.753,72.06 v2@28.019,78.794
SENSOR_IN8: C57.2 R57.1 R58.2 U4.45 | length 36.7
  Top Layer w0.279: v3(48.388,69.065) 48.388,68.484 48.552,68.321 48.814,68.321 49.382,67.753 49.382,66.95 49.382,66.493 50.088,65.787 50.626,65.787 51.346,65.067 v3(51.346,63.45) ; v3(53.762,63.438) 53.762,63.403 54.101,63.064 54.101,61.326 54.254,61.174 v3(54.254,61.06) ; U4.45@55.463,58.052 55.463,60.543 55.524,60.604
  Top Layer w0.508: C57.2@42.454,76.602 42.579,76.602 43.214,77.238 43.364,77.238 v2(43.42,77.293) 43.476,77.238 44.051,77.238 44.421,76.868 44.521,76.868 44.667,76.722 R58.2@44.667,76.622 ; R57.1@47.015,78.243 47.015,76.886 47.93,75.971 v2@48.666,75.971
  Bottom Layer w0.279: 48.563,68.735 48.563,69.065 48.563,70.084 49.022,70.544 49.022,71.676 48.563,72.135 v2(48.563,75.986) ; v3@51.257,63.602 51.421,63.438 v3(53.762,63.438) ; v3@54.204,61.112 54.355,60.961 v3(55.67,60.961)
  Bottom Layer w0.508: v2@43.434,77.292 43.434,76.302 43.75,75.986 v2(48.563,75.986)
SIM_CLK: C38.2 R39.2 SIM1.3 T1.3 | length 21.2
  Top Layer w0.279: SIM1.3@71.1,28.2 71.1,30.903 71.56,31.363 74.909,31.363 C38.2@75.094,31.549 ; T1.3@72.695,35.179 72.52,35.179 72.484,35.144 72.484,34.969 72.441,34.925 72.441,33.096 73.863,31.674 C38.2@75.094,31.674 C38.2@75.094,31.549 ; R39.2@76.492,36.17 76.492,36.045 77.978,34.559 77.978,31.725 77.114,30.861 75.782,30.861 C38.2@75.094,31.549
SIM_DATA: C39.2 R41.2 SIM1.6 T1.5 | length 77.5
  Top Layer w0.279: v2@73.666,33.817 73.666,35.072 74.372,35.779 74.742,35.779 T1.5@74.778,35.814 ; C39.2@80.467,7.849 80.342,7.849 78.594,6.1 SIM1.6@71.1,6.1 71.1,9.2 71.56,9.66 77.056,9.66 82.484,15.088 87.898,15.088 88.062,15.251 88.062,20.472 90.3,22.711 90.3,23.746 89.789,24.257 89.002,24.257 87.401,25.857 86.436,25.857 81.946,30.348 81.946,35.021 v2@81.915,35.052 ; v2(81.88,36.52) 81.955,36.595 86.365,36.595 86.525,36.756 R41.2@86.525,36.881
  Bottom Layer w0.279: v2(73.64,33.715) 74.742,32.614 80.797,32.614 81.292,33.108 81.292,34.421 v2(81.886,35.015) ; v2@73.762,33.934 v2@73.762,33.96 ; v2@81.94,35.07 v2@81.94,36.551
  Bottom Layer w0.508: v2(81.886,35.015) v2@81.94,35.07
SIM_GND: C40.1 SIM1.4 U3.10 | length 65.6
  Top Layer w0.508: SIM1.4@66.1,6.1 66.1,9.483 68.123,11.506 75.715,11.506 v2(82.782,18.573) ; v2(80.499,35.029) 80.358,35.029 80.17,34.841 79.406,34.841 C40.1@79.07,34.505 80.684,34.505 80.754,34.435 80.852,34.435 81.352,33.934 81.352,33.227 81.153,33.028 81.153,29.87 81.145,29.863 81.145,29.548 v2@81.153,29.54 ; v2@80.518,37.059 80.61,37.151 81.042,37.151 81.483,37.592 84.201,37.592 84.811,38.202 88.189,38.202 90.731,35.66 U3.10@90.731,28.3
  Bottom Layer w0.508: v2@80.583,35.143 v2(80.583,37.095) ; v2(81.09,29.6) 81.09,29.525 80.721,29.157 80.721,23.622 82.067,22.276 82.067,19.287 v2(82.782,18.573)
SIM_RST: C37.2 R42.2 SIM1.2 T1.4 | length 21
  Top Layer w0.279: SIM1.2@68.6,28.2 68.6,32.767 69.075,33.242 R42.2@69.075,34.493 69.083,34.501 69.083,36.187 C37.2@69.09,36.195 69.952,36.195 v2@70.231,35.916 ; T1.4@74.778,35.179 74.953,35.179 75.424,34.708 75.424,34.234 v2@75.523,34.134
  Bottom Layer w0.279: v2@70.254,35.958 70.254,37.133 70.734,37.613 72.012,37.613 72.922,36.703 75.667,36.703 75.895,36.474 75.895,34.595 75.413,34.112 v2@75.362,34.112
  other v2: 75.65,34.287 70.178,36.085
SIM_VDD: C40.2 SIM1.1 T1.1 U3.14 | length 36
  Top Layer w0.279: SIM1.1@66.1,28.2 SIM1.1@66.1,31.785 ; v2(71.776,36.802) 71.876,36.703 72.266,36.703 72.52,36.449 T1.1@72.695,36.449
  Top Layer w0.508: SIM1.1@66.1,31.785 v2@67.589,33.274 ; v2(80.498,33.581) 80.398,33.481 79.871,33.481 C40.2@79.245,32.855 ; U3.14@85.431,25.05 85.396,25.085 84.008,25.085 79.578,29.515 79.578,32.337 79.466,32.449 79.466,32.634 C40.2@79.245,32.855 ; C40.2@79.245,32.855 C40.2@79.07,32.855 C40.2@79.245,32.855
  Bottom Layer w0.508: v2(67.405,33.297) 68.639,33.297 71.653,36.311 v2@71.653,36.802 ; v2(71.776,36.802) 75.184,33.395 80.232,33.395 v2@80.467,33.63
STDBY: R17.2 U1.6 | length 8.1
  Top Layer w0.508: v2@113.911,43.035 U1.6@115.725,43.035 ; v2(115.714,46.533) 115.793,46.533 116.021,46.761 R17.2@117.74,46.761
  Bottom Layer w0.508: v2(114.18,43.066) 114.18,45.067 v2@115.68,46.567
SWCLK: P5.5 U4.49 | length 52.4
  Top Layer w0.279: U4.49@58.763,59.852 59.427,59.852 59.436,59.842 59.436,59.529 v3@60.007,58.958
  Bottom Layer w0.279: P5.5@19.761,64.694 19.931,64.864 20.93,64.864 22.132,66.065 23.357,66.065 23.52,65.902 23.52,59.969 24.994,58.496 46.863,58.496 49.606,61.239 51.867,61.239 51.87,61.236 52.218,61.236 53.891,59.563 55.157,59.563 55.832,60.238 56.602,60.238 56.82,60.02 57.365,60.02 58.728,58.657 59.622,58.657 v3@60.16,59.195
  other v3: 59.99,58.975
SWDIO: P5.4 U4.46 | length 45.7
  Top Layer w0.279: U4.46@55.963,58.052 v3@55.963,59.824
  Bottom Layer w0.279: P5.4@22.301,64.694 22.301,59.868 24.152,58.017 47.323,58.017 50.063,60.757 52.02,60.757 52.898,59.878 52.898,59.405 53.137,59.166 53.137,58.242 53.569,57.81 55.296,57.81 56.168,58.683 v3@56.168,59.599
  other v3: 56.168,59.548
SWO: P5.1
TP4056_IN: C24.2 C25.2 D7.1 F2.2 R21.1 U1.5 | length 88.2
  Top Layer w0.508: R21.1@76.81,85.643 78.136,85.643 v2@78.435,85.344 ; v2(80.425,73.182) 84.494,69.113 98.132,69.113 v2(98.835,69.816) ; v2@109.982,49.301 109.996,49.287 109.996,48.255 110.317,47.934 C24.2@110.617,47.934 ; C24.2@110.377,48.246 v2@110.377,49.278 ; C24.2@110.733,48.246 v2@110.733,49.278 ; C25.2@113,44.15 C25.2@113.125,44.15
  Top Layer w1.016: C24.2@110.317,47.934 110.008,47.625 109.307,47.625 108.712,47.03 108.712,44.409 109.307,43.814 111.598,43.814 111.934,44.15 C25.2@113,44.15 ; C25.2@113.155,44.305 U1.5@115.725,44.305
  Top Layer w1.524: 104.394,60.325 105.429,60.325 109.576,56.179 D7.1@109.576,55.804 109.576,55.429 109.188,55.041 108.353,55.041 v2(107.931,54.619)
  Bottom Layer w0.508: v2(78.543,85.476) 80.574,83.445 80.574,72.065 80.543,72.034 ; v2(98.835,69.816) 100.243,68.409 100.398,68.409 104.136,64.67 104.136,59.277 v2(107.931,55.482) ; v2@110.103,49.101 v2(111.003,49.101)
  Bottom Layer w1.524: v2@107.95,55.448 107.95,51.255 v2@110.103,49.101
  other v2: 110.139,49.127
TXD: JP3.1 U3.17 U4.43 | length 76.5
  Top Layer w0.279: U4.43@54.463,58.052 54.463,56.103 v3@54.966,55.601 ; JP3.1@68.199,47.371 71.351,44.219 71.351,41.865 73.457,39.759 v2@73.457,38.208 ; v2(83.567,33.069) 83.567,30.289 87.145,26.711 88.174,26.711 90.78,24.105 90.78,21.082 89.713,20.015 v2@89.51,20.015 ; U3.17@85.431,21.75 85.49,21.691 87.5,21.691 v2(87.559,21.632)
  Bottom Layer w0.279: v3(55.111,55.678) 55.111,52.991 55.756,52.346 58.979,52.346 59.338,52.705 60.249,52.705 60.528,52.426 60.528,45.187 61.079,44.636 67.394,44.636 68.199,45.441 JP3.1@68.199,47.371 ; v2(73.483,38.208) 73.575,38.117 81.39,38.117 83.591,35.916 v2@83.591,32.918 ; v2@87.478,21.615 88.032,21.615 v2(89.688,19.959)
VCH: D4.2 D6.1 D11.1 F1.2 R20.1 R22.2 VR1.2 | length 170
  Top Layer w0.279: v2(99.436,90.602) 101.285,90.602 102.454,89.433 R22.2@102.554,89.433
  Top Layer w0.508: R20.1@62.052,89.143 62.052,89.043 61.706,88.697 61.512,88.697 60.757,87.942 60.757,86.538 59.766,85.547 57.524,85.547 57.226,85.845 57.226,85.903 54.127,89.002 52.857,89.002 52.4,88.544 52.4,86.411 56.236,82.575 59.758,82.575 64.153,78.181 68.04,78.181 v2(69.138,77.083)
  Top Layer w1.524: D4.2@109.44,87.198 D4.2@110.279,86.36 ; 112.794,82.357 112.794,83.845 ; 112.794,86.249 112.794,83.845 ; VR1.2@113.845,82.293 F1.2@113.845,86.184 ; F1.2@114.17,86.36 D4.2@110.279,86.36 ; D11.1@114.656,68.478 115.031,68.478 115.419,68.866 115.419,70.588 115.9,71.069 123.19,71.069 124.739,72.619 124.739,80.01 123.274,81.475 D6.1@120.17,81.475 119.919,81.727 113.823,81.727 VR1.2@113.77,81.779 113.717,81.832 113.717,82.921 112.794,83.845 ; D4.2@110.279,86.36 112.794,83.845
  Bottom Layer w0.279: v2@99.644,90.297 105.334,95.987 111.633,95.987 111.695,96.049 111.927,96.049 113.615,94.36 113.615,81.934 VR1.2@113.77,81.779
  Bottom Layer w0.508: v2@69.088,77.14 72.136,74.092 78.105,74.092 79.807,75.794 79.807,82.652 79.666,82.792 79.666,83.123 78.708,84.081 78.377,84.081 77.343,85.115 77.183,85.115 76.886,85.413 76.886,87.107 77.663,87.884 83.414,87.884 86.132,90.602 v2(99.436,90.602)
VDDA: C50.2 C51.2 C52.2 L3.1 U4.13 | length 15.1
  Top Layer w0.279: C52.2@45.364,72.165 C52.2@45.664,72.165 ; L3.1@50.194,74.371 50.253,74.312 C51.2@50.253,72.263 C50.2@48.706,72.263 48.706,72.388 48.041,73.053 46.571,73.053 46.134,72.615 46.115,72.615 C52.2@45.664,72.165 ; U4.13@50.963,69.152 50.959,69.156 50.959,70.098 50.648,70.409 50.637,70.409 50.357,70.688 49.562,70.688 48.507,70.688 48.228,70.409 47.421,70.409 C52.2@45.664,72.165
pads on no net: "Power Jack1.MH" C43.0 C44.0 F2.0 LED4.0 LED5.0 R49.0 R54.0 R75.0 SIM1.5 T1.6 U1.1 U3.2 U3.3 U3.4 U3.5 U3.6 U3.8 U3.9 U3.15 U3.19 U3.20 U3.21 U3.22 U3.23 U3.24 U3.25 U3.28 U3.29 U3.30 U3.31 U3.32 U3.33 U3.38 U3.39 U4.2 U4.19 U4.23 U4.24 U4.25 U4.26 U4.27 U4.28 U4.29 U4.52 U4.58

## Polygon pours and split planes (outlines as drawn)
no net on Mechanical 13 (solid): 96.291,70.282 95.631,70.942 94.285,70.942
GND on Top Layer "GND_L01_P012" (solid, remove dead copper, pour order 12): 0.508,104.978 0.508,0 129.489,0 129.489,104.953
NetC8_1 on Top Layer "NETC8_1_L01_P007" (solid, remove dead copper, pour order 7): 87.833,46.939 87.833,45.415 88.087,45.161 92.151,45.161 93.167,46.177 93.167,55.829 91.567,57.429 86.995,57.429 85.928,56.363 85.928,54.305 85.598,54.305 83.972,52.68 83.464,52.68 83.236,52.451 82.321,52.451 82.321,51.943 82.296,51.918 83.337,51.918 83.337,51.791 83.744,51.384 85.471,51.384 86.131,52.045 87.732,52.045 87.732,46.965 87.808,46.888
+12V on Top Layer "tgr" (solid, remove dead copper, pour order 4): 120.929,76.835 122.123,75.641 122.25,75.641 122.25,74.27 121.234,73.254 121.006,73.482 115.849,73.482 115.849,73.609 115.494,73.965 113.03,73.965 113.03,74.244 111.887,75.387 110.769,75.387 109.855,76.302 108.102,76.302 108.102,76.606 107.696,77.013 107.95,77.267 107.95,77.521 109.804,77.521 110.16,77.876 119.786,77.876 120.879,76.784
NetC1_2 on Top Layer "NETC1_2_L01_P002" (solid, remove dead copper, pour order 2): 94.292,69.792 97.834,69.792 99.238,71.196 99.238,77.826 102.743,77.826 104.292,80.772 99.847,83.947 93.535,83.528 93.421,70.358
NetC12_2 on Top Layer "NETC12_2_L01_P008" (solid, remove dead copper, pour order 8): 81.077,52.172 81.407,51.841 82.931,51.841 83.185,51.587 83.185,51.435 83.033,51.283 81.712,51.283 79.858,49.428 78.156,49.428 78.156,49.403 77.648,48.895 77.648,45.237 77.419,45.237 76.987,44.806 75.794,44.806 75.794,45.009 75.336,45.466 75.336,49.073 73.825,49.568 73.304,49.962 73.304,51.105 72.542,51.867 72.517,51.841 68.783,51.841 68.783,54.051 68.555,54.28 74.066,54.28 76.302,52.045 76.302,51.41 78.384,51.41 78.065,51.435 79.273,52.095 81.051,52.095
Boost_IN on Top Layer "BOOST_IN_L01_P006" (solid, remove dead copper, pour order 6): 101.422,57.861 101.651,57.633 104.623,57.633 104.623,46.177 102.819,44.374 97.866,44.374 97.866,44.628 96.469,46.025 96.469,56.845 97.612,57.988 97.739,57.861 101.346,57.861
+5V_SW on Top Layer "+5V_SW_L01_P003" (solid, remove dead copper, pour order 3): 85.369,69.952 89.713,69.952 91.364,71.603 91.364,80.569 88.113,84.912 85.369,84.912 83.947,82.499 83.896,82.55 83.134,82.55 83.134,82.067 82.169,81.102 82.448,80.823 82.448,72.873 85.395,69.926
GND on Bottom Layer "GND_L02_P013" (solid, remove dead copper, pour order 13): 0.483,104.953 0.483,0.076 129.489,0.076 129.489,104.953

## Other copper
Top Layer:

## Silkscreen, mask and mechanical layers (free items; w line width, h text height)
Top Overlay:
  text "A.R.K" at 22.787,99.249 h3.5
Top Solder:
  lines w0.254: 10.749,3.559 9.529,3.559 6.278,6.811 5.973,6.811 5.542,7.242 5.288,7.242 1.706,10.824 1.706,16.513 4.703,19.511 9.656,19.511 10.774,18.393 ; 31.636,4.394 30.455,4.394 27.076,7.772 27.076,9.322 27.076,9.576 24.232,12.421 24.232,15.037 28.118,18.923 29.863,18.923 30.345,18.44 ; 31.648,5.105 28.372,8.382 28.372,9.83 25.4,12.802 25.4,14.275 29.566,18.44 30.345,18.44 ; 10.774,18.393 10.033,17.653 5.588,17.653 5.288,17.352 3.687,15.751 3.687,11.56 6.507,8.741 7.142,8.741 11.536,4.347 ; 10.774,18.393 5.313,18.393 3.078,16.158 3.078,11.383 6.202,8.258 6.735,8.258 10.647,4.347 11.536,4.347 ; 10.774,18.393 10.19,18.977 4.894,18.977 2.354,16.437 2.354,11.395 2.354,11.116 5.821,7.649 6.05,7.649 6.443,7.649 9.745,4.347 11.536,4.347 ; 30.345,18.44 29.329,19.456 27.915,19.456 23.724,15.265 23.724,12.014 26.492,9.246 26.492,7.391 29.769,4.115 31.369,4.115 31.648,4.394 31.623,4.394 27.61,8.407 27.61,9.804 24.689,12.725 24.689,14.707 28.423,18.44 30.345,18.44
Bottom Solder:
  lines w0.254: 21.565,4.394 21.209,4.394 18.872,6.731 18.872,15.85 21.463,18.44 22.393,18.44 ; 21.565,4.394 21.565,4.75 19.253,7.061 19.253,15.596 22.098,18.44 22.393,18.44 ; 21.565,4.394 21.565,5.334 19.685,7.214 19.685,15.316 22.393,18.024 22.393,18.44 ; 41.808,4.394 42.24,4.394 43.739,5.893 43.739,17.475 42.774,18.44 42.095,18.44 ; 41.808,4.394 42.012,4.597 42.012,4.902 43.256,6.147 43.256,17.28 42.095,18.44 ; 41.808,4.394 41.808,5.334 42.774,6.299 42.774,17.762 42.095,18.44

## Text inside footprints (layer, text, board x,y; h text height)
K1: Top Overlay "COM" at 38.202,30.647 h0.75 r180; Top Overlay "NO" at 32.969,21.909 h0.75 r180; Top Overlay "NC" at 41.808,21.732 h0.75 r180
K2: Top Overlay "COM" at 18.499,30.647 h0.75 r180; Top Overlay "NO" at 13.266,21.909 h0.75 r180; Top Overlay "NC" at 22.106,21.732 h0.75 r180
P3: Top Overlay "1" at 92.253,44.252 h0.75 r270; Top Overlay "1" at 92.253,44.252 h0.75 r270; Top Overlay "2" at 89.713,44.681 h0.75 r270; Top Overlay "3" at 87.173,44.681 h0.75 r270; Top Overlay "4" at 84.633,44.728 h0.75 r270; Top Overlay "5" at 82.093,44.681 h0.75 r270; Top Overlay "6" at 79.553,44.633 h0.75 r270; Top Overlay "7" at 77.013,44.681 h0.75 r270; Top Overlay "8" at 74.473,44.681 h0.75 r270; Top Overlay "9" at 71.933,44.633 h0.75 r270; Top Overlay "10" at 69.393,45.414 h0.75 r270; Top Overlay "11" at 66.853,44.985 h0.75 r270; Top Overlay "12" at 64.313,45.414 h0.75 r270; Top Overlay "13" at 61.773,45.414 h0.75 r270; Top Overlay "14" at 59.233,45.461 h0.75 r270; Top Overlay "15" at 56.693,45.414 h0.75 r270; Top Overlay "16" at 54.153,45.366 h0.75 r270
P5: Top Overlay "6" at 16.713,67.01 h0.75 r270; Top Overlay "5" at 19.253,67.058 h0.75 r270; Top Overlay "4" at 21.793,67.106 h0.75 r270; Top Overlay "3" at 24.333,67.058 h0.75 r270; Top Overlay "2" at 26.873,67.058 h0.75 r270; Top Overlay "1" at 29.413,66.629 h0.75 r270; Top Overlay "1" at 29.413,66.629 h0.75 r270
SIM1: Top Overlay "OPEN" at 65.7,10.7 h0.75; Top Overlay "LOCK" at 77.8,8.6 h0.75 r180
VR2: Top Overlay "CW" at 52.857,1.499 h0.75 r180